# KiCad board PCB.kicad_pcb (continued)
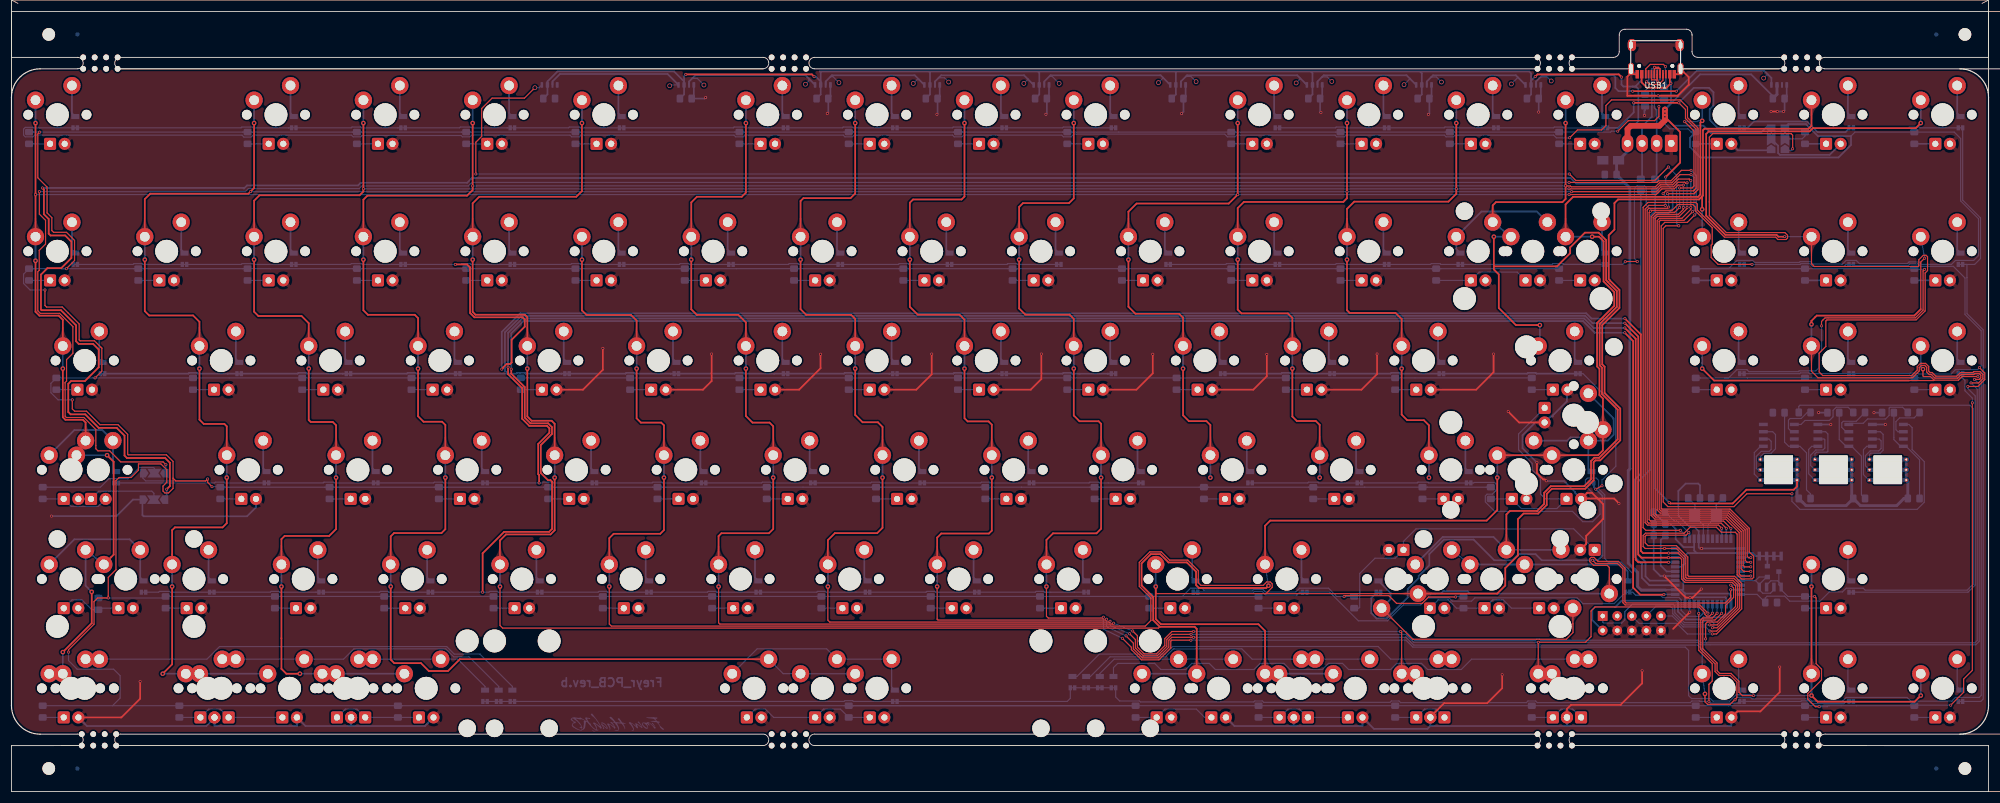
[diagram p0: board, top side]
## Placement (name value [footprint] x y rotation side) (continued)
R95  3300  [R_0805_2012Metric_Pad1.15x1.40mm_HandSolder]  179.27 32.99 90 bottom
R96  3300  [R_0805_2012Metric_Pad1.15x1.40mm_HandSolder]  312.62 13.94 90 bottom
R97  3300  [R_0805_2012Metric_Pad1.15x1.40mm_HandSolder]  331.67 13.94 90 bottom
R98  3300  [R_0805_2012Metric_Pad1.15x1.40mm_HandSolder]  312.62 32.99 90 bottom
R103  1100  [R_0805_2012Metric_Pad1.15x1.40mm_HandSolder]  312.56 66.1 0 bottom
R104  1100  [R_0805_2012Metric_Pad1.15x1.40mm_HandSolder]  322.06 66.1 0 bottom
R105  1100  [R_0805_2012Metric_Pad1.15x1.40mm_HandSolder]  331.56 66.1 0 bottom
R106  1100  [R_0805_2012Metric_Pad1.15x1.40mm_HandSolder]  312.56 51.1 180 bottom
R107  1100  [R_0805_2012Metric_Pad1.15x1.40mm_HandSolder]  322.06 51.1 180 bottom
R108  1100  [R_0805_2012Metric_Pad1.15x1.40mm_HandSolder]  331.56 51.1 180 bottom
REF**  -  [Fiducial_0.5mm_Mask1mm]  12.5 128.01 0 top
REF**#2  -  [Fiducial_0.5mm_Mask1mm]  14.5 128.01 0 top
REF**#3  -  [Fiducial_0.5mm_Mask1mm]  16.5 128.01 0 top
REF**#4  -  [Fiducial_0.5mm_Mask1mm]  18.5 128.01 0 top
REF**#5  -  [Fiducial_0.5mm_Mask1mm]  18.5 126.01 0 top
REF**#6  -  [Fiducial_0.5mm_Mask1mm]  12.5 126.01 0 top
REF**#7  -  [Fiducial_0.5mm_Mask1mm]  16.5 126.01 0 top
REF**#8  -  [Fiducial_0.5mm_Mask1mm]  14.5 126.01 0 top
REF**#9  -  [Fiducial_0.5mm_Mask1mm]  138.5 128.01 0 top
REF**#10  -  [Fiducial_0.5mm_Mask1mm]  134.5 126.01 0 top
REF**#11  -  [Fiducial_0.5mm_Mask1mm]  132.5 128.01 0 top
REF**#12  -  [Fiducial_0.5mm_Mask1mm]  136.5 128.01 0 top
REF**#13  -  [Fiducial_0.5mm_Mask1mm]  132.5 126.01 0 top
REF**#14  -  [Fiducial_0.5mm_Mask1mm]  134.5 128.01 0 top
REF**#15  -  [Fiducial_0.5mm_Mask1mm]  136.5 126.01 0 top
REF**#16  -  [Fiducial_0.5mm_Mask1mm]  138.5 126.01 0 top
REF**#17  -  [Fiducial_0.5mm_Mask1mm]  270 128.01 0 top
REF**#18  -  [Fiducial_0.5mm_Mask1mm]  272 128.01 0 top
REF**#19  -  [Fiducial_0.5mm_Mask1mm]  266 128.01 0 top
REF**#20  -  [Fiducial_0.5mm_Mask1mm]  268 126.01 0 top
REF**#21  -  [Fiducial_0.5mm_Mask1mm]  268 128.01 0 top
REF**#22  -  [Fiducial_0.5mm_Mask1mm]  270 126.01 0 top
REF**#23  -  [Fiducial_0.5mm_Mask1mm]  266 126.01 0 top
REF**#24  -  [Fiducial_0.5mm_Mask1mm]  272 126.01 0 top
REF**#25  -  [Fiducial_0.5mm_Mask1mm]  309 128.01 0 top
REF**#26  -  [Fiducial_0.5mm_Mask1mm]  311 126.01 0 top
REF**#27  -  [Fiducial_0.5mm_Mask1mm]  315 128.01 0 top
REF**#28  -  [Fiducial_0.5mm_Mask1mm]  313 128.01 0 top
REF**#29  -  [Fiducial_0.5mm_Mask1mm]  311 128.01 0 top
REF**#30  -  [Fiducial_0.5mm_Mask1mm]  313 126.01 0 top
REF**#31  -  [Fiducial_0.5mm_Mask1mm]  309 126.01 0 top
REF**#32  -  [Fiducial_0.5mm_Mask1mm]  315 126.01 0 top
REF**#33  -  [Fiducial_0.5mm_Mask1mm]  309 10.01 0 top
REF**#34  -  [Fiducial_0.5mm_Mask1mm]  311 8.01 0 top
REF**#35  -  [Fiducial_0.5mm_Mask1mm]  315 10.01 0 top
REF**#36  -  [Fiducial_0.5mm_Mask1mm]  311 10.01 0 top
REF**#37  -  [Fiducial_0.5mm_Mask1mm]  313 8.01 0 top
REF**#38  -  [Fiducial_0.5mm_Mask1mm]  313 10.01 0 top
REF**#39  -  [Fiducial_0.5mm_Mask1mm]  315 8.01 0 top
REF**#40  -  [Fiducial_0.5mm_Mask1mm]  309 8.01 0 top
REF**#41  -  [Fiducial_0.5mm_Mask1mm]  266 10.01 0 top
REF**#42  -  [Fiducial_0.5mm_Mask1mm]  268 10.01 0 top
REF**#43  -  [Fiducial_0.5mm_Mask1mm]  270 8.01 0 top
REF**#44  -  [Fiducial_0.5mm_Mask1mm]  272 8.01 0 top
REF**#45  -  [Fiducial_0.5mm_Mask1mm]  268 8.01 0 top
REF**#46  -  [Fiducial_0.5mm_Mask1mm]  272 10.01 0 top
REF**#47  -  [Fiducial_0.5mm_Mask1mm]  270 10.01 0 top
REF**#48  -  [Fiducial_0.5mm_Mask1mm]  266 8.01 0 top
REF**#49  -  [Fiducial_0.5mm_Mask1mm]  132.5 8.01 0 top
REF**#50  -  [Fiducial_0.5mm_Mask1mm]  132.5 10.01 0 top
REF**#51  -  [Fiducial_0.5mm_Mask1mm]  134.5 10.01 0 top
REF**#52  -  [Fiducial_0.5mm_Mask1mm]  136.5 8.01 0 top
REF**#53  -  [Fiducial_0.5mm_Mask1mm]  138.5 8.01 0 top
REF**#54  -  [Fiducial_0.5mm_Mask1mm]  134.5 8.01 0 top
REF**#55  -  [Fiducial_0.5mm_Mask1mm]  136.5 10.01 0 top
REF**#56  -  [Fiducial_0.5mm_Mask1mm]  138.5 10.01 0 top
REF**#57  -  [Fiducial_0.5mm_Mask1mm]  18.25 8.01 0 top
REF**#58  -  [Fiducial_0.5mm_Mask1mm]  12.25 8.01 0 top
REF**#59  -  [Fiducial_0.5mm_Mask1mm]  12.25 10.01 0 top
REF**#60  -  [Fiducial_0.5mm_Mask1mm]  14.25 10.01 0 top
REF**#61  -  [Fiducial_0.5mm_Mask1mm]  14.25 8.01 0 top
REF**#62  -  [Fiducial_0.5mm_Mask1mm]  16.25 10.01 0 top
REF**#63  -  [Fiducial_0.5mm_Mask1mm]  16.25 8.01 0 top
REF**#64  -  [Fiducial_0.5mm_Mask1mm]  18.25 10.01 0 top
REF**#65  -  [Fiducial_0.5mm_Mask1mm#2]  6.5 132.01 0 top
REF**#66  -  [Fiducial_0.5mm_Mask1mm#2]  6.5 4.01 0 top
REF**#67  -  [Fiducial_0.5mm_Mask1mm#2]  340.5 132.01 180 top
REF**#68  -  [Fiducial_0.5mm_Mask1mm#2]  340.5 4.01 180 top
REF**#69  -  [Fiducial_0.75mm_Dia_1.5mm_Outer]  11.5 132.01 0 bottom
REF**#70  -  [Fiducial_0.75mm_Dia_1.5mm_Outer]  11.5 4.01 0 bottom
REF**#71  -  [Fiducial_0.75mm_Dia_1.5mm_Outer]  335.5 132.01 180 bottom
REF**#72  -  [Fiducial_0.75mm_Dia_1.5mm_Outer]  335.5 4.01 180 bottom
SW1  ESC  [CHERRY_PCB_100H]  8 118.01 0 top
SW2  GRV  [CHERRY_PCB_100H]  8 94.2 0 top
SW3  TAB  [CHERRY_PCB_100H]  12.76 75.15 0 top
SW4  CAPS  [CHERRY_PCB_100H]  15.14 56.1 0 top
SW5  CAPS  [CHERRY_PCB_100H]  10.38 56.1 0 top
SW6  L_SHIFT  [CHERRY_PCB_100H]  19.91 37.05 0 top
SW7  L_SHIFT  [CHERRY_PCB_100H]  10.38 37.05 0 top
SW8  L_CTRL  [CHERRY_PCB_100H]  12.76 18 0 top
SW9  F10  [CHERRY_PCB_100H]  236.6 118.01 0 top
SW10  F1  [CHERRY_PCB_100H]  46.1 118.01 0 top
SW11  0  [CHERRY_PCB_100H]  198.5 94.2 0 top
SW12  P  [CHERRY_PCB_100H]  208.02 75.15 0 top
SW14  1  [CHERRY_PCB_100H]  27.05 94.2 0 top
SW15  Q  [CHERRY_PCB_100H]  36.57 75.15 0 top
SW16  A  [CHERRY_PCB_100H]  41.34 56.1 0 top
SW17  NONUS_BSLASH  [CHERRY_PCB_100H]  31.81 37.05 0 top
SW18  L_GUI  [CHERRY_PCB_100H]  36.57 18 0 top
SW19  F2  [CHERRY_PCB_100H]  65.15 118.01 0 top
SW20  F11  [CHERRY_PCB_100H]  255.65 118.01 0 top
SW21  MINUS  [CHERRY_PCB_100H]  217.55 94.2 0 top
SW22  LBRC  [CHERRY_PCB_100H]  227.07 75.15 0 top
SW24  2  [CHERRY_PCB_100H]  46.1 94.2 0 top
SW25  W  [CHERRY_PCB_100H]  55.62 75.15 0 top
SW26  S  [CHERRY_PCB_100H]  60.39 56.1 0 top
SW27  Z  [CHERRY_PCB_100H]  50.86 37.05 0 top
SW28  F3  [CHERRY_PCB_100H]  84.2 118.01 0 top
SW29  L_ALT  [CHERRY_PCB_100H]  58.01 18 0 top
SW30  F12  [CHERRY_PCB_100H]  274.7 118.01 0 top
SW31  EQUAL  [CHERRY_PCB_100H]  236.6 94.2 0 top
SW32  RBRC  [CHERRY_PCB_100H]  246.12 75.15 0 top
SW34  3  [CHERRY_PCB_100H]  65.15 94.2 0 top
SW35  E  [CHERRY_PCB_100H]  74.67 75.15 0 top
SW36  D  [CHERRY_PCB_100H]  79.44 56.1 0 top
SW37  F4  [CHERRY_PCB_100H]  103.25 118.01 0 top
SW38  X  [CHERRY_PCB_100H]  69.91 37.05 0 top
SW39  SPACE  [CHERRY_PCB_100H]  141.35 18 0 top
SW40  PSCR  [CHERRY_PCB_100H]  298.51 118.01 0 top
SW41  BACK SPACE  [CHERRY_PCB_100H]  265.17 94.2 0 top
SW42  BSLS  [CHERRY_PCB_100H]  269.94 75.15 0 top
SW44  4  [CHERRY_PCB_100H]  84.2 94.2 0 top
SW45  R  [CHERRY_PCB_100H]  93.72 75.15 0 top
SW46  F8  [CHERRY_PCB_100H]  188.97 118.01 0 top
SW47  F  [CHERRY_PCB_100H]  98.49 56.1 0 top
SW48  C  [CHERRY_PCB_100H]  88.96 37.05 0 top
SW49  R_ALT  [CHERRY_PCB_100H]  200.88 18 0 top
SW50  SLCK  [CHERRY_PCB_100H]  317.56 118.01 0 top
SW51  INS  [CHERRY_PCB_100H]  298.51 94.2 0 top
SW52  ENTER  [CHERRY_PCB_100H]  262.79 56.1 0 top
SW54  5  [CHERRY_PCB_100H]  103.25 94.2 0 top
SW55  F5  [CHERRY_PCB_100H]  131.82 118.01 0 top
SW56  T  [CHERRY_PCB_100H]  112.77 75.15 0 top
SW57  G  [CHERRY_PCB_100H]  117.54 56.1 0 top
SW58  V  [CHERRY_PCB_100H]  108.01 37.05 0 top
SW59  FN  [CHERRY_PCB_100H]  222.31 18 0 top
SW60  PAUS  [CHERRY_PCB_100H]  336.61 118.01 0 top
SW61  HOME  [CHERRY_PCB_100H]  317.56 94.2 0 top
SW62  NONUS_HASH  [CHERRY_PCB_100H]  250.89 56.1 0 top
SW63  BACK SPACE SPLIT  [CHERRY_PCB_100H]  274.7 94.2 0 top
SW64  F6  [CHERRY_PCB_100H]  150.87 118.01 0 top
SW65  6  [CHERRY_PCB_100H]  122.3 94.2 0 top
SW66  Y  [CHERRY_PCB_100H]  131.82 75.15 0 top
SW67  H  [CHERRY_PCB_100H]  136.59 56.1 0 top
SW68  B  [CHERRY_PCB_100H]  127.06 37.05 0 top
SW69  APP  [CHERRY_PCB_100H]  248.51 18 0 top
SW70  PGUP  [CHERRY_PCB_100H]  336.61 94.2 0 top
SW71  END  [CHERRY_PCB_100H]  317.56 75.15 0 top
SW72  QUOT  [CHERRY_PCB_100H]  231.84 56.1 0 top
SW73  F7  [CHERRY_PCB_100H]  169.92 118.01 0 top
SW74  BACK SPACE  [CHERRY_PCB_100H]  255.65 94.2 0 top
SW75  7  [CHERRY_PCB_100H]  141.35 94.2 0 top
SW76  U  [CHERRY_PCB_100H]  150.87 75.15 0 top
SW77  J  [CHERRY_PCB_100H]  155.64 56.1 0 top
SW78  N  [CHERRY_PCB_100H]  146.11 37.05 0 top
SW79  R_CTRL  [CHERRY_PCB_100H]  269.94 18 0 top
SW80  PGDN  [CHERRY_PCB_100H]  336.61 75.15 0 top
SW81  DEL  [CHERRY_PCB_100H]  298.51 75.15 0 top
SW82  R_SHIFT  [CHERRY_PCB_100H]  248.51 37.05 0 top
SW83  SCLN  [CHERRY_PCB_100H]  212.79 56.1 0 top
SW84  R_SHIFT  [CHERRY_PCB_100H]  258.03 37.05 0 top
SW85  8  [CHERRY_PCB_100H]  160.4 94.2 0 top
SW86  I  [CHERRY_PCB_100H]  169.92 75.15 0 top
SW87  K  [CHERRY_PCB_100H]  174.69 56.1 0 top
SW88  M  [CHERRY_PCB_100H]  165.16 37.05 0 top
SW89  LEFT  [CHERRY_PCB_100H]  298.51 18 0 top
SW90  UP  [CHERRY_PCB_100H]  317.56 37.05 0 top
SW91  R_SHIFT  [CHERRY_PCB_100H]  267.56 37.05 0 top
SW92  DOT  [CHERRY_PCB_100H]  203.26 37.05 0 top
SW93  ENTER  [CHERRY_PCB_100H]  272.32 65.62 270 top
SW94  9  [CHERRY_PCB_100H]  179.45 94.2 0 top
SW95  O  [CHERRY_PCB_100H]  188.97 75.15 0 top
SW96  L  [CHERRY_PCB_100H]  193.74 56.1 0 top
SW97  COMM  [CHERRY_PCB_100H]  184.21 37.05 0 top
SW98  DOWN  [CHERRY_PCB_100H]  317.56 18 0 top
SW99  RIGHT  [CHERRY_PCB_100H]  336.61 18 0 top
SW100  FN_1  [CHERRY_PCB_100H]  274.7 37.05 180 top
SW101  SLSH  [CHERRY_PCB_100H]  222.31 37.05 0 top
SW105  L_CTRL  [CHERRY_PCB_100H]  10.38 18 0 top
SW106  L_GUI  [CHERRY_PCB_100H]  48.48 18 0 top
SW107  L_GUI  [CHERRY_PCB_100H]  34.19 18 0 top
SW108  L_ALT  [CHERRY_PCB_100H]  72.29 18 0 top
SW109  L_ALT  [CHERRY_PCB_100H]  60.39 18 0 top
SW110  SPACE  [CHERRY_PCB_100H]  129.44 18 0 top
SW111  SPACE  [CHERRY_PCB_100H]  150.87 18 0 top
SW112  R_ALT  [CHERRY_PCB_100H]  210.41 18 0 top
SW114  FN  [CHERRY_PCB_100H]  234.22 18 0 top
SW115  FN  [CHERRY_PCB_100H]  224.69 18 0 top
SW117  APP  [CHERRY_PCB_100H]  246.12 18 0 top
SW118  R_CTRL  [CHERRY_PCB_100H]  272.32 18 0 top
SW119  ENTER  [CHERRY_PCB_100H]  272.32 56.1 0 top
SW120  FN_1  [CHERRY_PCB_100H#2]  241.36 37.05 180 top
SW124  F9  [CHERRY_PCB_100H]  217.55 118.01 0 top
U1  ATMEGA32U4  [TQFP-44_Pitch0.8mm]  295.7 38.38 0 bottom
U2  WS2811  [SOIC-8_3.9x4.9mm_P1.27mm]  308.06 62.1 0 bottom
U3  WS2811  [SOIC-8_3.9x4.9mm_P1.27mm]  317.56 62.1 0 bottom
U4  WS2811  [SOIC-8_3.9x4.9mm_P1.27mm]  327.06 62.1 0 bottom
USB1  -  [HRO-TYPE-C-31-M-12]  286.61 132.76 180 top
USB1#2  -  [HRO-TYPE-C-31-M-12]  286.61 132.76 0 bottom
Y1  16MHz  [Crystal_SMD_5032]  295.29 48.16 0 bottom

## Library data of the parts
D3 D94-D100 D102 D105-D108 D110-D121 D123-D130 D132-D135 D137-D144 D146-D152 D154-D158 D160-D166 D168-D174 D176-D214 = -: Field4: +; Field5: +

## Footprints (pads in the part's own frame, mm; a bottom-side part is the same pattern mirrored in y, then rotated)
AVR_ICSP_5x2
  rect 1.7x1.7 hole 0.8: 1(-2.54,-1.27)
  round 1.7 hole 0.8: 2(-2.54,1.27) 3(0,-1.27) 4(0,1.27) 5(2.54,-1.27) 6(2.54,1.27) 7(5.08,-1.27) 8(5.08,1.27) 9(7.62,-1.27) 10(7.62,1.27)
C_0805_2012Metric_Pad1.15x1.40mm_HandSolder
  rrect 1.15x1.4 smd: 1(-1.025,0) 2(1.025,0)
CHERRY_MX_LED_3MM
  rrect 2.1x2.1 hole 1.1: 1(-1.27,-5.08)
  round 2.1 hole 1.1: 2(1.27,-5.08)
CHERRY_MX_LED_3MM#4
  rrect 2x2 hole 1.1: 1(-1.27,-5.08)
  round 2.1 hole 1.1: 2(1.27,-5.08)
CHERRY_MX_LED_3MM#2
  rrect 2.1x2.1 hole 1.1: 1(-1.27,-5.08)
  round 2.1 hole 1.1: 2(1.191,-5.08)
CHERRY_MX_LED_3MM#3
  round 2.1 hole 1.1: 1(-1.191,-5.08)
  rrect 2.1x2.1 hole 1.1: 2(1.27,-5.08)
CHERRY_PCB_100H
  round 1.702 hole 1.702 unplated: (-5.08,0) (5.08,0)
  round 3.988 hole 3.988 unplated: (0,0)
  round 2.5 smd far side: 1(-3.815,2.55) 2(2.54,5.08)
  round 3 smd far side: 1(-3.815,2.543) 2(2.54,5.08)
  round 3 hole 1.7: 1(-3.81,2.54) 2(2.54,5.08)
CHERRY_PCB_100H#2
  round 1.702 hole 1.702 unplated: (-5.08,0) (5.08,0)
  round 3.988 hole 3.988 unplated: (0,0)
  round 2.5 smd far side: 1(-3.815,2.55) 2(2.54,5.08)
  round 2.9 smd far side: 1(-3.815,2.543)
  round 2.9 hole 1.7: 1(-3.81,2.54)
  round 3 hole 1.7: 2(2.54,5.08)
  round 3 smd far side: 2(2.54,5.08)
Cherry_Stab_PCBMounted
  round 3.048 hole 3.048 unplated: (0,6.985)
  round 3.988 hole 3.988 unplated: (0,-8.255)
CP_Tantalum_3216
  rect 1.95x1.5 smd: 1(-1.375,0) 2(1.375,0)
Crystal_SMD_5032
  rect 2x2.4 smd: 1(-1.85,0) 2(1.85,0)
D_0805_Mab_ideal
  rect 0.889x0.6 smd: 1(1.016,-0.381) 1(1.016,0.381)
  rect 0.889x1.397 smd: 2(-0.953,0)
Fiducial_0.5mm_Mask1mm
  round 1 hole 1 unplated: (0,0)
Fiducial_0.5mm_Mask1mm#2
  round 2.2 hole 2.2 unplated: (0,0)
Fiducial_0.75mm_Dia_1.5mm_Outer
  round 0.75 smd: (0,0)
HRO-TYPE-C-31-M-12
  round 0.65 hole 0.65 unplated: (-2.89,6.25) (2.89,6.25)
  rect 0.6x1.45 smd: 1(-3.225,7.695) 2(-2.45,7.695) 11(2.45,7.695) 12(3.225,7.695)
  rect 0.3x1.45 smd: 3(-1.75,7.695) 4(-1.25,7.695) 5(-0.75,7.695) 6(-0.25,7.695) 7(0.25,7.695) 8(0.75,7.695) 9(1.25,7.695) 10(1.75,7.695)
  oval 1x2.1 hole 0.6x1.7: 13(-4.32,6.78) 13(4.32,6.78)
  oval 1.4x2.1 hole 0.6x1.2: 13(-4.32,2.6) 13(4.32,2.6)
LED_RGB_PLCC-6_UpSide
  oval 0.2x4.95 hole 0.2x4.95 unplated: (-2.375,0) (2.375,0)
  oval 4.95x0.2 hole 4.95x0.2 unplated: (0,-2.4) (0,-2.3) (0,-2.2) (0,-2.1) (0,-2) (0,-1.9) (0,-1.8) (0,-1.7) (0,-1.6) (0,-1.5) (0,-1.4) (0,-1.3) (0,-1.2) (0,-1.1) (0,-1) (0,-0.9) (0,-0.8) (0,-0.7) (0,-0.6) (0,-0.5) (0,-0.4) (0,-0.3) (0,-0.2) (0,-0.1) (0,0) (0,0.1) (0,0.2) (0,0.3) (0,0.4) (0,0.5) (0,0.6) (0,0.7) (0,0.8) (0,0.9) (0,1) (0,1.1) (0,1.2) (0,1.3) (0,1.4) (0,1.5) (0,1.6) (0,1.7) (0,1.8) (0,1.9) (0,2) (0,2.1) (0,2.2) (0,2.3) (0,2.4)
  round 0.6 hole 0.3: 1(-3.2,1.8) 2(-3.2,0) 3(-3.2,-1.8) 4(3.2,-1.8) 5(3.2,0) 6(3.2,1.8)
  rect 1.3x0.7 smd: 1(-3,1.8) 2(-3,0) 3(-3,-1.8) 4(3,-1.8) 5(3,0) 6(3,1.8)
PinSocket_1x04_P2.54mm
  rrect 3x2.2 hole 1.2: 1(0,0)
  oval 3x2 hole 1.2: 2(0,-2.54) 3(0,-5.08) 4(0,-7.62)
R_0805_2012Metric_Pad1.15x1.40mm_HandSolder
  rrect 1.15x1.4 smd: 1(-1.025,0) 2(1.025,0)
SK6805-4020
  rrect 0.35x1 smd: 1(0.575,0)
  rrect 0.5x1 smd: 2(1.4,0)
  rrect 0.45x1 smd: 3(-1.275,0)
  rrect 0.6x1 smd: 4(-0.3,0)
SOIC-8_3.9x4.9mm_P1.27mm
  rect 1.55x0.6 smd: 1(-2.7,1.905) 2(-2.7,0.635) 3(-2.7,-0.635) 4(-2.7,-1.905) 5(2.7,-1.905) 6(2.7,-0.635) 7(2.7,0.635) 8(2.7,1.905)
SolderJumper-3_P2.0mm_Open_TrianglePad1.0x1.5mm
  rect 1.5x1.5 smd: (-1.2,0) (1.2,0)
  custom 1.5x1.5 smd: 1(-2,0) 3(2,0)
  custom 2.4x1.5 smd: 2(0,0)
SOT-23
  rect 0.9x0.8 smd: 1(-1,0.95) 2(-1,-0.95) 3(1,0)
TQFP-44_Pitch0.8mm
  rect 1.5x0.55 smd: 1(-5.7,4) 2(-5.7,3.2) 3(-5.7,2.4) 4(-5.7,1.6) 5(-5.7,0.8) 6(-5.7,0) 7(-5.7,-0.8) 8(-5.7,-1.6) 9(-5.7,-2.4) 10(-5.7,-3.2) 11(-5.7,-4) 23(5.7,-4) 24(5.7,-3.2) 25(5.7,-2.4) 26(5.7,-1.6) 27(5.7,-0.8) 28(5.7,0) 29(5.7,0.8) 30(5.7,1.6) 31(5.7,2.4) 32(5.7,3.2) 33(5.7,4)
  rect 0.55x1.5 smd: 12(-4,-5.7) 13(-3.2,-5.7) 14(-2.4,-5.7) 15(-1.6,-5.7) 16(-0.8,-5.7) 17(0,-5.7) 18(0.8,-5.7) 19(1.6,-5.7) 20(2.4,-5.7) 21(3.2,-5.7) 22(4,-5.7) 34(4,5.7) 35(3.2,5.7) 36(2.4,5.7) 37(1.6,5.7) 38(0.8,5.7) 39(0,5.7) 40(-0.8,5.7) 41(-1.6,5.7) 42(-2.4,5.7) 43(-3.2,5.7) 44(-4,5.7)

## Nets
GND: C1.2 C2.2 C3.2 C4.2 C5.2 C6.2 C7.2 C8.2 C9.2 C10.2 C11.2 C12.2 C13.2 C14.2 C15.2 C16.2 C17.2 C18.2 C19.2 D3.2 D94.2 D95.2 D98.2 D99.2 D100.2 D102.2 D105.2 D106.2 D107.2 D108.2 D110.2 D111.2 D112.2 D113.2 D114.2 D115.1 D116.2 D117.2 D118.2 D119.2 D120.2 D121.2 D123.2 D124.2 D125.2 D126.2 D127.2 D128.1 D129.2 D130.2 D132.2 D133.2 D134.2 D135.2 D137.2 D138.2 D139.2 D140.2 D141.2 D142.2 D143.2 D144.2 D146.2 D147.2 D148.2 D149.2 D150.2 D151.2 D152.2 D154.2 D155.2 D156.2 D157.2 D158.2 D160.2 D161.2 D162.2 D163.2 D164.2 D165.2 D166.2 D168.2 D169.2 D170.2 D171.2 D172.2 D173.1 D174.2 D177.2 D178.2 D179.2 D180.2 D181.2 D182.2 D183.2 D184.2 D185.2 D186.1 D187.2 D188.2 D189.2 D190.2 D191.2 D192.2 D193.2 D194.2 D195.1 D196.2 D197.2 D198.2 D199.2 D200.2 D201.2 D202.2 D203.2 D204.2 D205.2 D206.2 D207.2 D208.2 D209.2 D210.2 D211.2 D212.2 D213.2 D214.2 D222.2 D223.2 D224.2 D225.2 D226.2 D227.2 D228.2 D229.2 D230.2 D231.2 J2.1 J4.4 J4.6 J4.8 J4.10 JP1.1 JP3.1 R2.1 R3.1 R6.1 U1.5 U1.15 U1.23 U1.35 U1.43 U2.4 U3.4 U4.4 USB1.1 USB1.12 USB1.13 USB1#2.1 USB1#2.12 USB1#2.13
VCC: C1.1 C2.1 C3.1 C7.1 C8.1 C9.1 C10.1 C11.1 C12.1 C13.1 C14.1 C15.1 C16.1 D222.4 D223.4 D224.4 D225.4 D226.4 D227.4 D228.4 D229.4 D230.4 D231.4 D232.4 D232.5 D232.6 D233.4 D233.5 D233.6 D234.4 D234.5 D234.6 J2.4 J4.2 JP1.3 JP3.3 Q1.2 Q2.5 Q2.6 Q2.7 Q2.8 R1.2 R106.2 R107.2 R108.2 U1.2 U1.7 U1.14 U1.24 U1.34 U1.44 USB1.2 USB1.11 USB1#2.2 USB1#2.11
/Backlight_LED: Q1.1 Q2.2 Q2.4 U1.30
/Caps_LED: J4.9 JP2.1 U1.11
/Col1: SW1.1 SW2.1 SW3.1 SW4.1 SW5.2 SW6.1 SW7.2 SW8.1 SW11.1 SW12.1 SW83.1 SW105.1 SW124.1 U1.28
/Col2: SW9.1 SW10.1 SW14.1 SW15.1 SW16.1 SW17.1 SW18.1 SW21.1 SW22.1 SW72.1 SW106.1 SW107.1 U1.27
/Col3: SW19.1 SW20.1 SW24.1 SW25.1 SW26.1 SW27.1 SW29.1 SW31.1 SW32.1 SW62.1 SW108.1 SW109.1 U1.26
/Col4: SW28.1 SW30.1 SW34.1 SW35.1 SW36.1 SW38.1 SW39.1 SW41.1 SW42.1 SW74.2 SW82.1 SW84.2 SW91.2 SW110.2 SW111.1 U1.25
/Col5: SW37.1 SW40.1 SW44.1 SW45.1 SW47.1 SW48.1 SW49.1 SW52.1 SW63.1 SW93.2 SW101.1 SW112.1 SW119.1 U1.29
/Col6: SW50.1 SW51.1 SW54.1 SW56.1 SW57.1 SW58.1 SW59.1 SW92.1 SW100.1 SW114.1 SW115.1 SW120.1 U1.32
/Col7: SW55.1 SW60.1 SW61.1 SW65.1 SW66.1 SW67.1 SW68.1 SW69.1 SW117.1 U1.31
/Col8: SW64.1 SW70.1 SW71.1 SW75.1 SW76.1 SW77.1 SW78.1 SW79.1 SW118.1 U1.38
/Col9: SW73.1 SW80.1 SW81.1 SW85.1 SW86.1 SW87.1 SW88.1 SW89.1 U1.37
/Col10: SW46.1 SW90.1 SW94.1 SW95.1 SW96.1 SW97.1 SW98.1 SW99.1 U1.36
/D+: J2.2 R5.2 USB1.6 USB1.8 USB1#2.6 USB1#2.8
/D-: J2.3 R4.2 USB1.5 USB1.7 USB1#2.5 USB1#2.7
/E2: R6.2 R103.1 U1.33
/Layer_LED1: U1.18
/Layer_LED2: U1.19
/reset: J4.5 R1.1 U1.13
/RGB_OUT_VGS: D222.3 U4.5
/Row1: D2.1 D12.1 D21.1 D30.1 D39.1 D57.1 D66.1 D75.1 D84.1 U1.21
/Row2: D4.1 D13.1 D22.1 D31.1 D40.1 D49.1 D58.1 D67.1 D76.1 D85.1 J4.1 U1.10
/Row3: D5.1 D14.1 D23.1 D32.1 D41.1 D50.1 D59.1 D68.1 D77.1 D86.1 J4.7 U1.9
/Row4: D6.1 D15.1 D24.1 D33.1 D42.1 D51.1 D60.1 D69.1 D78.1 D87.1 U1.8
/Row5: D7.1 D16.1 D25.1 D34.1 D43.1 D52.1 D61.1 D70.1 D79.1 D88.1 U1.1
/Row6: D8.1 D17.1 D26.1 D35.1 D44.1 D53.1 D62.1 D71.1 D80.1 D89.1 U1.41
/Row7: D9.1 D18.1 D27.1 D36.1 D45.1 D54.1 D63.1 D72.1 D90.1 D103.1 U1.20
/Row8: D10.1 D19.1 D28.1 D37.1 D46.1 D55.1 D64.1 D73.1 D81.1 D93.1 U1.22
/Row9: D11.1 D20.1 D29.1 D38.1 D47.1 D91.1 U1.39
/Row10: D56.1 D65.1 D74.1 D82.1 D83.1 D92.1 U1.40
/Scroll_LED: JP4.1 U1.12
Net-(C4-Pad1): C4.1 U1.16 Y1.1
Net-(C5-Pad1): C5.1 U1.17 Y1.2
Net-(C6-Pad1): C6.1 U1.6
Net-(C17-Pad1): C17.1 R106.1 U2.8
Net-(C18-Pad1): C18.1 R107.1 U3.8
Net-(C19-Pad1): C19.1 R108.1 U4.8
Net-(D2-Pad2): D2.2 SW1.2
Net-(D3-Pad1): D3.1 R7.1
Net-(D4-Pad2): D4.2 SW2.2
Net-(D5-Pad2): D5.2 SW3.2
Net-(D6-Pad2): D6.2 SW4.2 SW5.1
Net-(D7-Pad2): D7.2 SW6.2 SW7.1
Net-(D8-Pad2): D8.2 SW8.2 SW105.2
Net-(D9-Pad2): D9.2 SW9.2
Net-(D10-Pad2): D10.2 SW11.2
Net-(D11-Pad2): D11.2 SW12.2
Net-(D12-Pad2): D12.2 SW10.2
Net-(D13-Pad2): D13.2 SW14.2
Net-(D14-Pad2): D14.2 SW15.2
Net-(D15-Pad2): D15.2 SW16.2
Net-(D16-Pad2): D16.2 SW17.2
Net-(D17-Pad2): D17.2 SW18.2 SW106.2 SW107.2
Net-(D18-Pad2): D18.2 SW20.2
Net-(D19-Pad2): D19.2 SW21.2
Net-(D20-Pad2): D20.2 SW22.2
Net-(D21-Pad2): D21.2 SW19.2
Net-(D22-Pad2): D22.2 SW24.2
Net-(D23-Pad2): D23.2 SW25.2
Net-(D24-Pad2): D24.2 SW26.2
Net-(D25-Pad2): D25.2 SW27.2
Net-(D26-Pad2): D26.2 SW29.2 SW108.2 SW109.2
Net-(D27-Pad2): D27.2 SW30.2
Net-(D28-Pad2): D28.2 SW31.2
Net-(D29-Pad2): D29.2 SW32.2
Net-(D30-Pad2): D30.2 SW28.2
Net-(D31-Pad2): D31.2 SW34.2
Net-(D32-Pad2): D32.2 SW35.2
Net-(D33-Pad2): D33.2 SW36.2
Net-(D34-Pad2): D34.2 SW38.2
Net-(D35-Pad2): D35.2 SW39.2 SW110.1 SW111.2
Net-(D36-Pad2): D36.2 SW40.2
Net-(D37-Pad2): D37.2 SW41.2 SW74.1
Net-(D38-Pad2): D38.2 SW42.2
Net-(D39-Pad2): D39.2 SW37.2
Net-(D40-Pad2): D40.2 SW44.2
Net-(D41-Pad2): D41.2 SW45.2
Net-(D42-Pad2): D42.2 SW47.2
Net-(D43-Pad2): D43.2 SW48.2
Net-(D44-Pad2): D44.2 SW49.2 SW112.2
Net-(D45-Pad2): D45.2 SW50.2
Net-(D46-Pad2): D46.2 SW51.2
Net-(D47-Pad2): D47.2 SW52.2 SW93.1 SW119.2
Net-(D49-Pad2): D49.2 SW54.2
Net-(D50-Pad2): D50.2 SW56.2
Net-(D51-Pad2): D51.2 SW57.2
Net-(D52-Pad2): D52.2 SW58.2
Net-(D53-Pad2): D53.2 SW59.2 SW114.2 SW115.2
Net-(D54-Pad2): D54.2 SW60.2
Net-(D55-Pad2): D55.2 SW61.2
Net-(D56-Pad2): D56.2 SW62.2
Net-(D57-Pad2): D57.2 SW55.2
Net-(D58-Pad2): D58.2 SW65.2
Net-(D59-Pad2): D59.2 SW66.2
Net-(D60-Pad2): D60.2 SW67.2
Net-(D61-Pad2): D61.2 SW68.2
Net-(D62-Pad2): D62.2 SW69.2 SW117.2
Net-(D63-Pad2): D63.2 SW70.2
Net-(D64-Pad2): D64.2 SW71.2
Net-(D65-Pad2): D65.2 SW72.2
Net-(D66-Pad2): D66.2 SW64.2
Net-(D67-Pad2): D67.2 SW75.2
Net-(D68-Pad2): D68.2 SW76.2
Net-(D69-Pad2): D69.2 SW77.2
Net-(D70-Pad2): D70.2 SW78.2
Net-(D71-Pad2): D71.2 SW79.2 SW118.2
Net-(D72-Pad2): D72.2 SW80.2
Net-(D73-Pad2): D73.2 SW81.2
Net-(D74-Pad2): D74.2 SW83.2
Net-(D75-Pad2): D75.2 SW73.2
Net-(D76-Pad2): D76.2 SW85.2
Net-(D77-Pad2): D77.2 SW86.2
Net-(D78-Pad2): D78.2 SW87.2
Net-(D79-Pad2): D79.2 SW88.2
Net-(D80-Pad2): D80.2 SW89.2
Net-(D81-Pad2): D81.2 SW90.2
Net-(D82-Pad2): D82.2 SW82.2 SW84.1 SW91.1
Net-(D83-Pad2): D83.2 SW92.2
Net-(D84-Pad2): D84.2 SW46.2
Net-(D85-Pad2): D85.2 SW94.2
Net-(D86-Pad2): D86.2 SW95.2
Net-(D87-Pad2): D87.2 SW96.2
Net-(D88-Pad2): D88.2 SW97.2
Net-(D89-Pad2): D89.2 SW98.2
Net-(D90-Pad2): D90.2 SW99.2
Net-(D91-Pad2): D91.2 SW100.2 SW120.2
Net-(D92-Pad2): D92.2 SW101.2
Net-(D93-Pad2): D93.2 SW63.2
Net-(D94-Pad1): D94.1 R8.1
Net-(D95-Pad1): D95.1 R9.1
Net-(D96-Pad1): D96.1 D97.2 R10.1
Net-(D96-Pad2): D96.2 D97.1 JP1.2
Net-(D98-Pad1): D98.1 D99.1 R11.1
Net-(D100-Pad1): D100.1 R12.1
Net-(D102-Pad1): D102.1 R13.1
Net-(D103-Pad2): D103.2 SW124.2
Net-(D105-Pad1): D105.1 R14.1
Net-(D106-Pad1): D106.1 R15.1
Net-(D107-Pad1): D107.1 R16.1
Net-(D108-Pad1): D108.1 R17.1
Net-(D110-Pad1): D110.1 R18.1
Net-(D111-Pad1): D111.1 R19.1
Net-(D112-Pad1): D112.1 R20.1
Net-(D113-Pad1): D113.1 R21.1
Net-(D114-Pad1): D114.1 D115.2 D116.1 R22.1
Net-(D117-Pad1): D117.1 R23.1
Net-(D118-Pad1): D118.1 R24.1
Net-(D119-Pad1): D119.1 R25.1
Net-(D120-Pad1): D120.1 R26.1
Net-(D121-Pad1): D121.1 R27.1
Net-(D123-Pad1): D123.1 R28.1
Net-(D124-Pad1): D124.1 R29.1
Net-(D125-Pad1): D125.1 R30.1
Net-(D126-Pad1): D126.1 R31.1
Net-(D127-Pad1): D127.1 D128.2 D129.1 R32.1
Net-(D130-Pad1): D130.1 R33.1
Net-(D132-Pad1): D132.1 R34.1
Net-(D133-Pad1): D133.1 R35.1
Net-(D134-Pad1): D134.1 R36.1
Net-(D135-Pad1): D135.1 R37.1
Net-(D137-Pad1): D137.1 R38.1
Net-(D138-Pad1): D138.1 R39.1
Net-(D139-Pad1): D139.1 R40.1
Net-(D140-Pad1): D140.1 R41.1
Net-(D141-Pad1): D141.1 D142.1 D143.1 R42.1
Net-(D144-Pad1): D144.1 R43.1
Net-(D146-Pad1): D146.1 D147.1 R44.1
Net-(D148-Pad1): D148.1 R45.1
Net-(D149-Pad1): D149.1 D150.1 D151.1 R46.1
Net-(D152-Pad1): D152.1 R47.1
Net-(D154-Pad1): D154.1 R48.1
Net-(D155-Pad1): D155.1 R49.1
Net-(D156-Pad1): D156.1 R50.1
Net-(D157-Pad1): D157.1 R51.1
Net-(D158-Pad1): D158.1 D160.1 R52.1
Net-(D161-Pad1): D161.1 R53.1
Net-(D162-Pad1): D162.1 R54.1
Net-(D163-Pad1): D163.1 D164.1 D165.1 R55.1
Net-(D166-Pad1): D166.1 R56.1
Net-(D168-Pad1): D168.1 R58.1
Net-(D169-Pad1): D169.1 R59.1
Net-(D170-Pad1): D170.1 R60.1
Net-(D171-Pad1): D171.1 R61.1
Net-(D172-Pad1): D172.1 D173.2 D174.1 R62.1
Net-(D176-Pad1): D176.1 R63.1
Net-(D176-Pad2): D176.2 JP3.2
Net-(D177-Pad1): D177.1 R64.1
Net-(D178-Pad1): D178.1 D214.1 R65.1
Net-(D179-Pad1): D179.1 R66.1
Net-(D180-Pad1): D180.1 R67.1
Net-(D181-Pad1): D181.1 R68.1
Net-(D182-Pad1): D182.1 R69.1
Net-(D183-Pad1): D183.1 R70.1
Net-(D184-Pad1): D184.1 R71.1
Net-(D185-Pad1): D185.1 D186.2 R72.1
Net-(D187-Pad1): D187.1 R73.1
Net-(D188-Pad1): D188.1 R74.1
Net-(D189-Pad1): D189.1 R75.1
Net-(D190-Pad1): D190.1 R76.1
Net-(D191-Pad1): D191.1 R77.1
Net-(D192-Pad1): D192.1 R78.1
Net-(D193-Pad1): D193.1 R79.1
Net-(D194-Pad1): D194.1 D195.2 R80.1
Net-(D196-Pad1): D196.1 R81.1
Net-(D197-Pad1): D197.1 R82.1
Net-(D198-Pad1): D198.1 R83.1
Net-(D199-Pad1): D199.1 R84.1
Net-(D200-Pad1): D200.1 R85.1
Net-(D201-Pad1): D201.1 R86.1
Net-(D202-Pad1): D202.1 R87.1
Net-(D203-Pad1): D203.1 R88.1
Net-(D204-Pad1): D204.1 R89.1
Net-(D205-Pad1): D205.1 R90.1
Net-(D206-Pad1): D206.1 R91.1
Net-(D207-Pad1): D207.1 R92.1
Net-(D208-Pad1): D208.1 R93.1
Net-(D209-Pad1): D209.1 R94.1
Net-(D210-Pad1): D210.1 R95.1
Net-(D211-Pad1): D211.1 R96.1
Net-(D212-Pad1): D212.1 R97.1
Net-(D213-Pad1): D213.1 R98.1
Net-(D222-Pad1): D222.1 D223.3
Net-(D223-Pad1): D223.1 D224.3
Net-(D224-Pad1): D224.1 D225.3
Net-(D225-Pad1): D225.1 D226.3
Net-(D226-Pad1): D226.1 D227.3
Net-(D227-Pad1): D227.1 D228.3
Net-(D228-Pad1): D228.1 D229.3
Net-(D229-Pad1): D229.1 D230.3
Net-(D230-Pad1): D230.1 D231.3
Net-(D232-Pad1): D232.1 U2.1
Net-(D232-Pad2): D232.2 U2.2
Net-(D232-Pad3): D232.3 U2.3
Net-(D233-Pad1): D233.1 U3.1
Net-(D233-Pad2): D233.2 U3.2
Net-(D233-Pad3): D233.3 U3.3
Net-(D234-Pad1): D234.1 U4.1
Net-(D234-Pad2): D234.2 U4.2
Net-(D234-Pad3): D234.3 U4.3
Net-(JP2-Pad2): JP2.2 R10.2
Net-(JP2-Pad3): JP2.3 JP4.3 Q1.3 Q2.1 Q2.3 R7.2 R8.2 R9.2 R11.2 R12.2 R13.2 R14.2 R15.2 R16.2 R17.2 R18.2 R19.2 R20.2 R21.2 R22.2 R23.2 R24.2 R25.2 R26.2 R27.2 R28.2 R29.2 R30.2 R31.2 R32.2 R33.2 R34.2 R35.2 R36.2 R37.2 R38.2 R39.2 R40.2 R41.2 R42.2 R43.2 R44.2 R45.2 R46.2 R47.2 R48.2 R49.2 R50.2 R51.2 R52.2 R53.2 R54.2 R55.2 R56.2 R58.2 R59.2 R60.2 R61.2 R62.2 R64.2 R65.2 R66.2 R67.2 R68.2 R69.2 R70.2 R71.2 R72.2 R73.2 R74.2 R75.2 R76.2 R77.2 R78.2 R79.2 R80.2 R81.2 R82.2 R83.2 R84.2 R85.2 R86.2 R87.2 R88.2 R89.2 R90.2 R91.2 R92.2 R93.2 R94.2 R95.2 R96.2 R97.2 R98.2
Net-(JP4-Pad2): JP4.2 R63.2
Net-(R2-Pad2): R2.2 USB1.10 USB1#2.10
Net-(R3-Pad2): R3.2 USB1.4 USB1#2.4
Net-(R4-Pad1): R4.1 U1.3
Net-(R5-Pad1): R5.1 U1.4
Net-(R103-Pad2): R103.2 U2.6
Net-(R104-Pad1): R104.1 U2.5
Net-(R104-Pad2): R104.2 U3.6
Net-(R105-Pad1): R105.1 U3.5
Net-(R105-Pad2): R105.2 U4.6

Pads without a net: D231 1; J4 3; U1 42; U2 7; U3 7; U4 7; USB1 3 9; USB1#2 3 9

## Via types
v1: diameter 0.5, hole 0.3, Top to Bottom, 185 vias
v2: diameter 0.8, hole 0.4, Top to Bottom, 81 vias
v3: diameter 0.8, hole 0.6, Top to Bottom, 18 vias

## Routing (per net, layer and track width the routed paths; a pad name or vN(x,y) marks a point on that pad's centre or on a via; arc(x,y) is an arc through that point)
GND: length 605.1
  Top w0.3: v1(307.79,118.57) v1(306.71,118.57) ; D106.2 216.46,70.07 218.81,72.42 v1(218.81,76.22) ; D182.2 137.28,70.07 141.02,73.81 v1(141.02,76.25) ; D194.2 271.13,14.4 271.83,15.1 280.47,15.1 284.23,18.87 v1(284.23,21.05) ; v1(267.52,54.18) 267.27,54.43 266.98,54.43 265.89,55.52 v1(265.89,57.36) ; D200.2 177.66,70.07 179.52,71.93 v1(179.52,76.28) ; D191.2 157.72,70.07 160.4,72.75 v1(160.4,76.28) ; v1(280.19,50.24) 279.34,51.09 273.66,51.09 D164.2 274.64,52.07 275.49,52.07 277.44,50.11 277.44,47.54 274.48,44.57 274.48,43.18 D178.2 ; D119.2 235.32,70.07 238.03,72.79 v1(238.03,76.28) ; D185.2 247.31,13.01 249.71,15.41 257.22,15.41 259.84,18.02 v1(259.84,20.36) ; 289.62,28.36 v1(292.54,31.27) ; D169.2 120.54,70.07 122.04,71.56 v1(122.04,76.28) ; D100.2 19.15,12.92 22.43,16.19 v1(22.43,19.17) ; v1(294.55,35.31) 293.04,33.8 v1(292.57,33.8) 291.86,33.8 v1(288.08,37.58) ; D203.2 300.83,13.97 304.85,13.97 308.21,17.34 v1(308.21,21.71) ; v1(258.34,76.28) 258.34,73.12 255.29,70.07 D133.2 ; 94.99,70.07 99.61,70.07 103.08,73.54 v1(103.08,77.27) ; v1(198.94,76.25) 198.94,72.92 196.09,70.07 D208.2 ; 282.47,125.46 282.39,125.46 282.79,125.07 USB1.12 ; 282.47,125.46 282.64,125.63 ; 282.47,125.46 281.66,124.65 281.66,121.31 v1(287.02,121.31) 290.42,121.31 292.36,123.24 292.36,124.56 291.45,125.46 290.93,125.46 290.54,125.07 USB1.1 ; D165.2 262.79,64.35 v1(260.88,66.26)
  Bottom w0.3: v1(266.2,118.47) 266.2,118.47 C1.2 266.57,121.2 D230.2 ; 223.5,11.43 223.52,11.42 235.47,11.42 235.49,11.43 D174.2 237.48,10.93 246.81,10.93 247.31,11.43 ; 223.5,11.43 223.49,11.42 213.18,11.42 D160.2 ; 223.5,11.43 D172.2 ; D127.2 59.2,11.43 ; 59.2,11.43 59.18,11.42 51.25,11.42 D116.2 49.75,11.43 49.74,11.42 35.4,11.42 35.38,11.43 D114.2 35.38,12.83 33.97,11.42 13.15,11.42 D100.2 ; 59.2,11.43 59.21,11.42 72.07,11.42 72.51,11.86 72.51,11.87 D129.2 ; v1(267.52,54.18) 267.57,54.13 270.63,54.13 272.54,52.22 272.54,52.07 D164.2 ; 271.12,69.98 271.12,68.04 268.65,65.57 268.65,65.4 268.29,65.4 D165.2 265.62,64.35 263.38,62.12 263.38,59.87 v1(265.89,57.36) ; C18.2 314.99,66.06 v1(314.99,66.06) ; U4.4 326.62,64 v1(326.62,64.01) ; D194.2 271.13,11.43 ; 271.13,11.43 271.11,11.42 247.33,11.42 247.31,11.43 ; 271.13,11.43 271.14,11.42 299.77,11.42 299.78,11.43 D203.2 ; 247.31,11.43 D185.2 ; v1(203.96,118.21) 204.29,118.54 C8.2 204.66,121.2 D227.2 ; v1(228.25,118.38) 228.1,118.53 C14.2 228.47,121.2 D228.2 ; 290.93,125.46 290.54,125.07 USB1.1 ; C16.2 C6.2 286.25,38.75 287.42,37.58 v1(288.08,37.58) U1.5 ; R3.1 284.74,118.8 284.63,118.68 284.63,117.88 v1(284.64,117.86) ; 282.64,125.63 283.21,125.07 USB1.12 ; D231.2 309.44,121.2 C2.2 309.06,118.75 v1(308.88,118.57) 307.8,118.57 v1(307.79,118.57) ; R2.1 287.63,120.7 v1(287.02,121.31) ; D224.2 142.75,121.2 C11.2 142.37,118.39 v1(142.2,118.22) ; D225.2 161.8,121.2 C15.2 161.42,118.19 v1(161.31,118.07) ; U1.23 v1(294.59,42.38) 294.29,42.38 294.1,42.57 U1.15 294.1,45.39 293.37,46.12 292.55,46.12 290.55,48.12 290.55,52.42 291.82,53.69 294.01,53.69 294.31,53.39 C4.2 ; v1(317.12,64) 317.12,64 U3.4 ; D223.2 118.94,121.2 C12.2 120.81,120.83 v1(121,121.01) ; U1.35 298.9,33.71 298.73,33.88 292.65,33.88 292.5,33.73 U1.43 292.5,31.32 v1(292.54,31.27) ; D161.2 300.91,111.81 JP3.1 ; v1(6.96,48.03) 18.3,48.03 21.17,50.9 JP1.1 22.83,48.19 23.02,47.99 41.07,47.99 42.61,49.53 D112.2 ; v1(180.32,118.09) 180.47,118.25 C9.2 180.85,121.2 D226.2 ; D229.2 247.52,121.2 C7.2 247.15,118.22 v1(246.99,118.06) ; C19.2 324.65,66.06 v1(324.64,66.05)
